# KiCad board board_deltaRenumBack.kicad_pcb (continued)
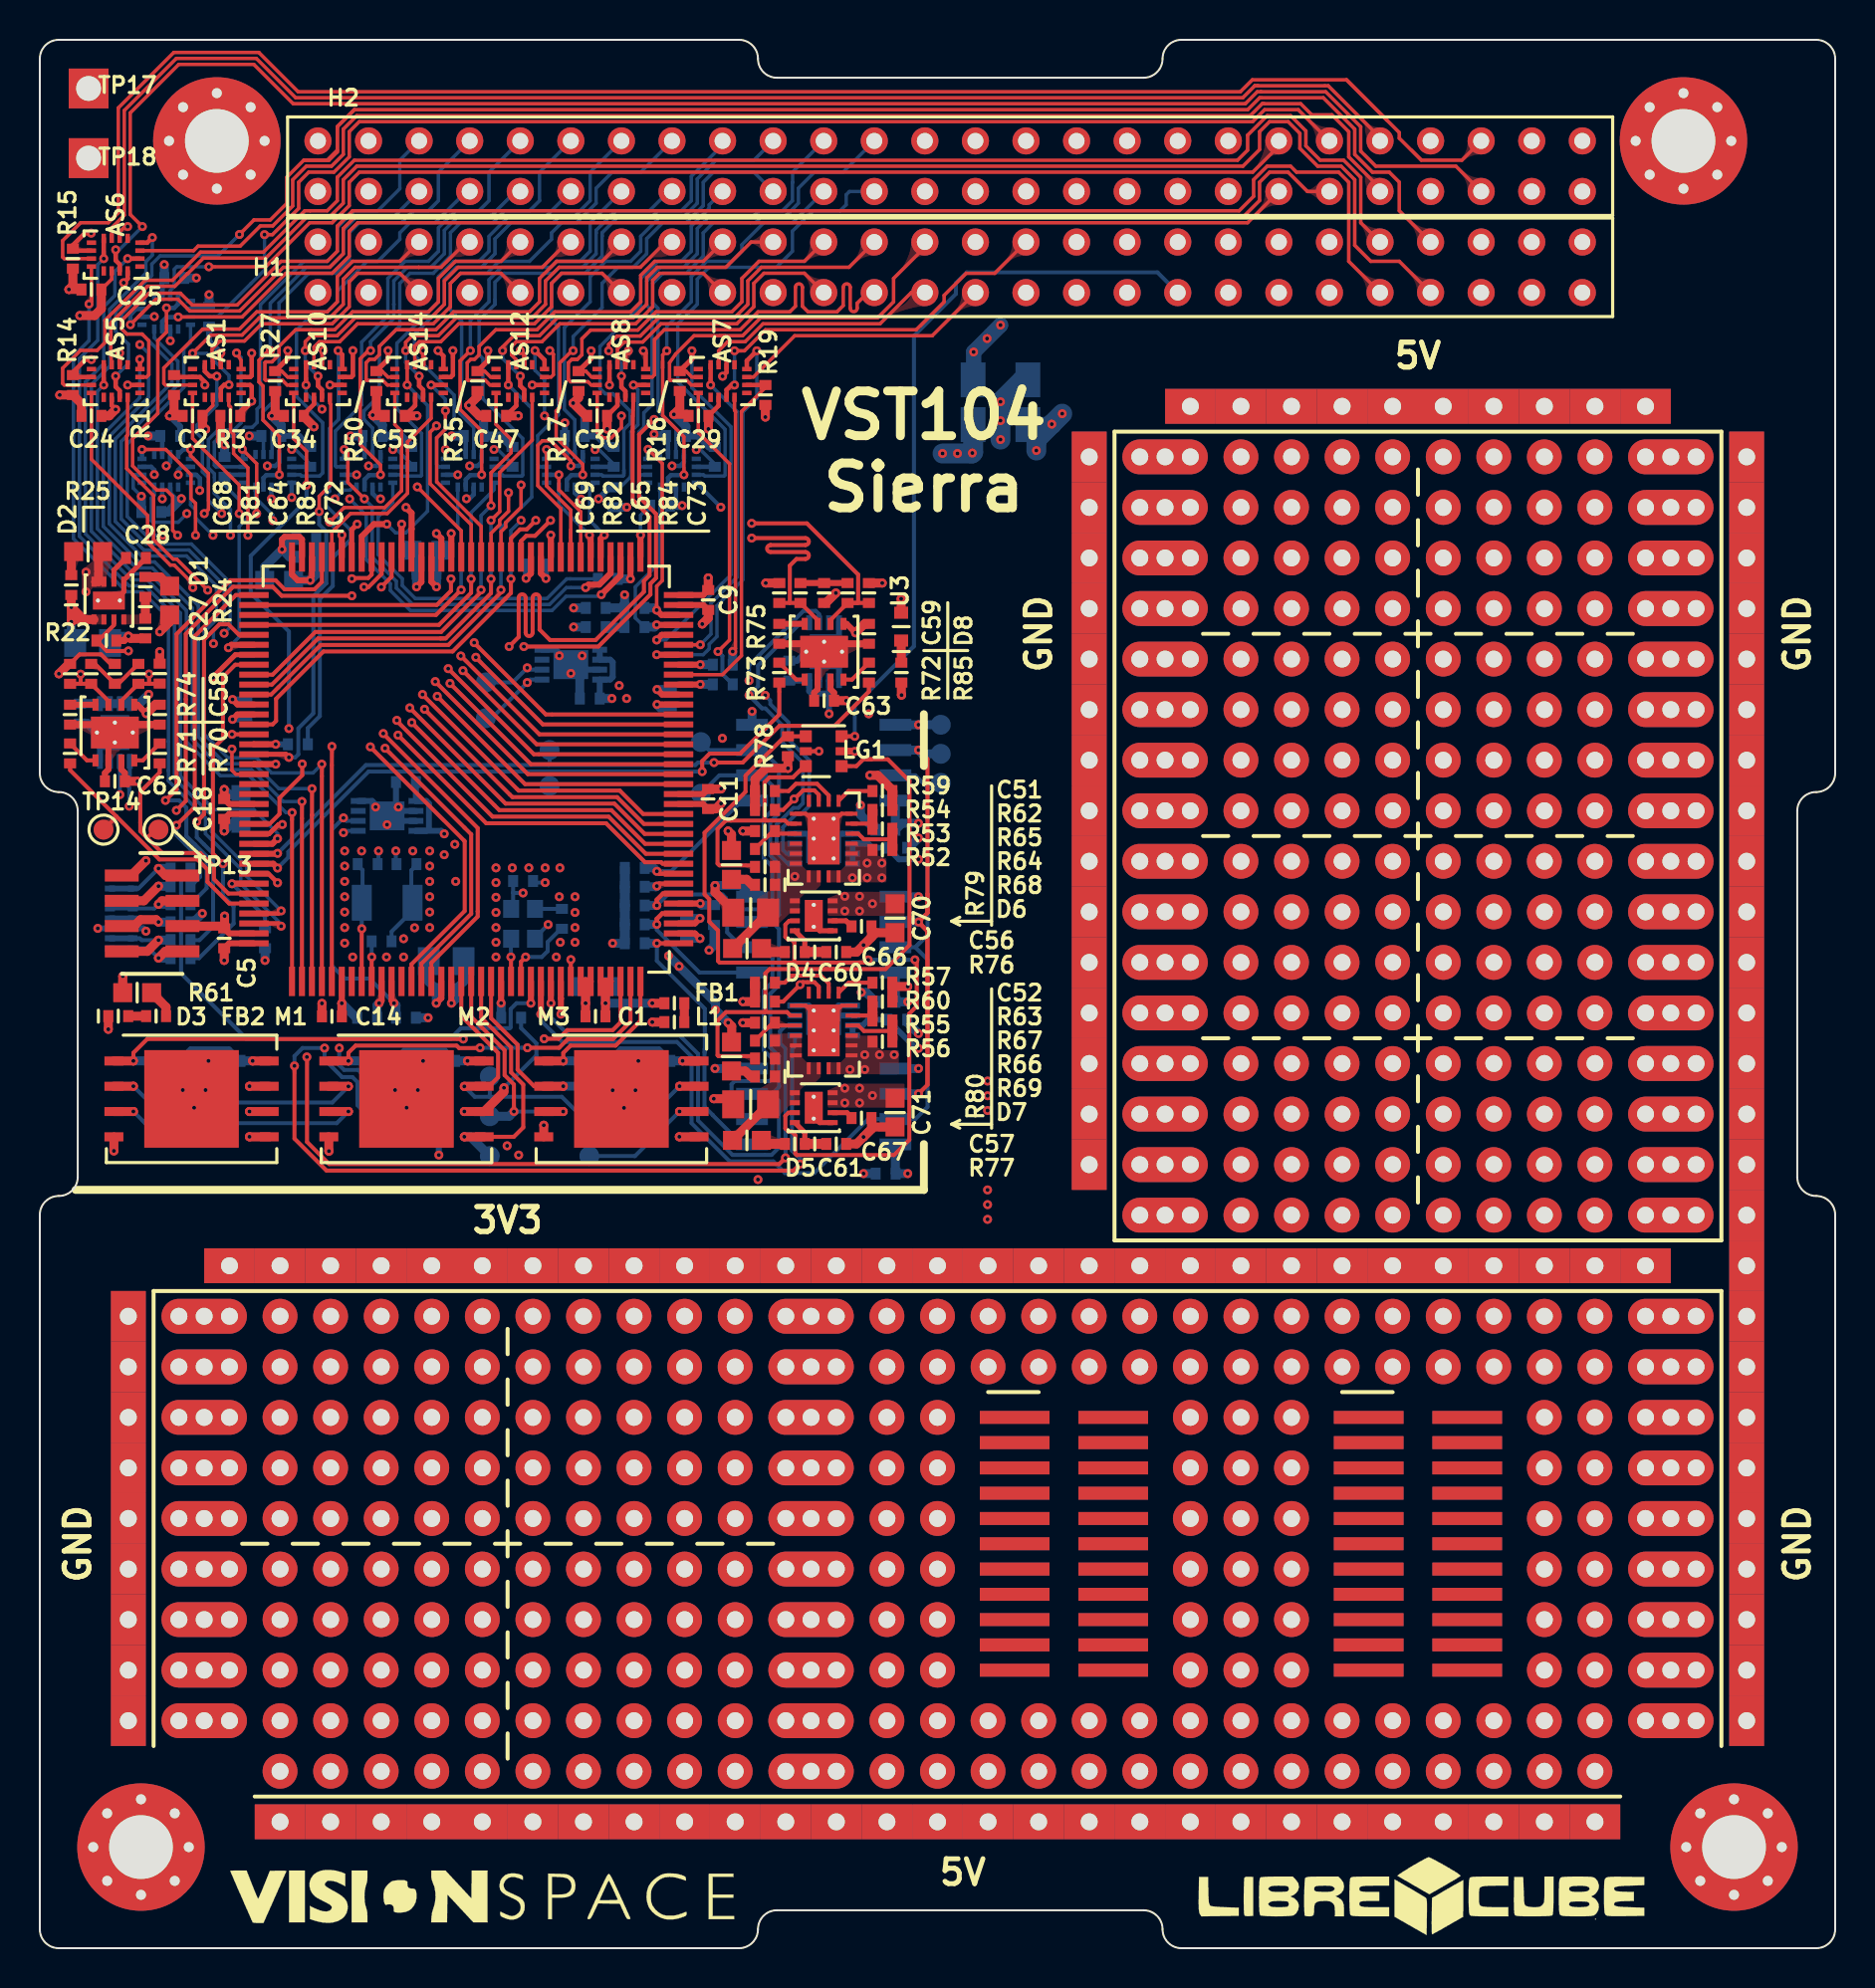
[diagram p0: board, top side]
## Copper pours and planes (outline as drawn; the poured copper is in the pictures) (continued)
Net-(C50-Pad2) on Bottom: 18.11,51.38 18.13,51.44 18.16,51.5 18.19,51.56 18.22,51.61 18.24,51.66 18.27,51.71 18.3,51.75 18.33,51.8 18.36,51.83 18.39,51.87 18.42,51.9 18.45,51.93 18.48,51.95 18.51,51.97 18.55,51.99 18.58,52 18.61,52.01 18.65,52.02 18.68,52.03 18.72,52.03 18.9,52.7 18.22,52.52 17.97,51.52
Net-(R86-Pad1) on In3.Cu: 47.1,35.45 47.01,34.91 47.63,33.85 48.24,34.91 48.1,35.45
Net-(R86-Pad1) on In3.Cu: 11.01,34.79 10.15,34.9 9.09,34.29 10.15,33.68 11.01,33.79
Net-(R86-Pad1) on In3.Cu: 79.16,33.79 80.02,33.68 81.08,34.29 80.02,34.9 79.16,34.79
Net-(R87-Pad1) on Bottom: 50.69,76.94 50.07,76.99 49.31,76.55 50.07,76.11 50.69,76.16
Net-(R87-Pad1) on In3.Cu: 56.3,76.97 57.16,76.86 58.22,77.47 57.16,78.08 56.3,77.97
Net-(R87-Pad1) on In3.Cu: 76.62,5.85 77.48,5.74 78.54,6.35 77.48,6.96 76.62,6.85
Net-(R87-Pad1) on In3.Cu: 13.55,6.85 12.69,6.96 11.63,6.35 12.69,5.74 13.55,5.85
Net-(R87-Pad1) on In3.Cu: 79.16,76.97 80.02,76.86 81.08,77.47 80.02,78.08 79.16,77.97

Small or netless copper shapes (teardrops, artwork), in the pictures only: 439 on Top, 362 on Bottom, 180 on In2.Cu

## Text on the board
B.SilkS: v1.0 | VST104-Sierra
Cmts.User: fcv
F.SilkS: VST104 / Sierra
